# Altium PCB SFPP.PcbDoc (part 3 of 4)
Units mil, origin at the board's own origin, x right, y up, seen from the top; angles counter-clockwise.
Board outline 3543.31 x 4228.35 mil, 8 copper layers (L1_S1, L2_PGND, L3_S2, L4_P1V2, L5_P1V8, L6_S3, L7_PGND, L8_S4), stack 62.6 mil thick; 259 components, 249 nets, 1382 pads, 813 vias.
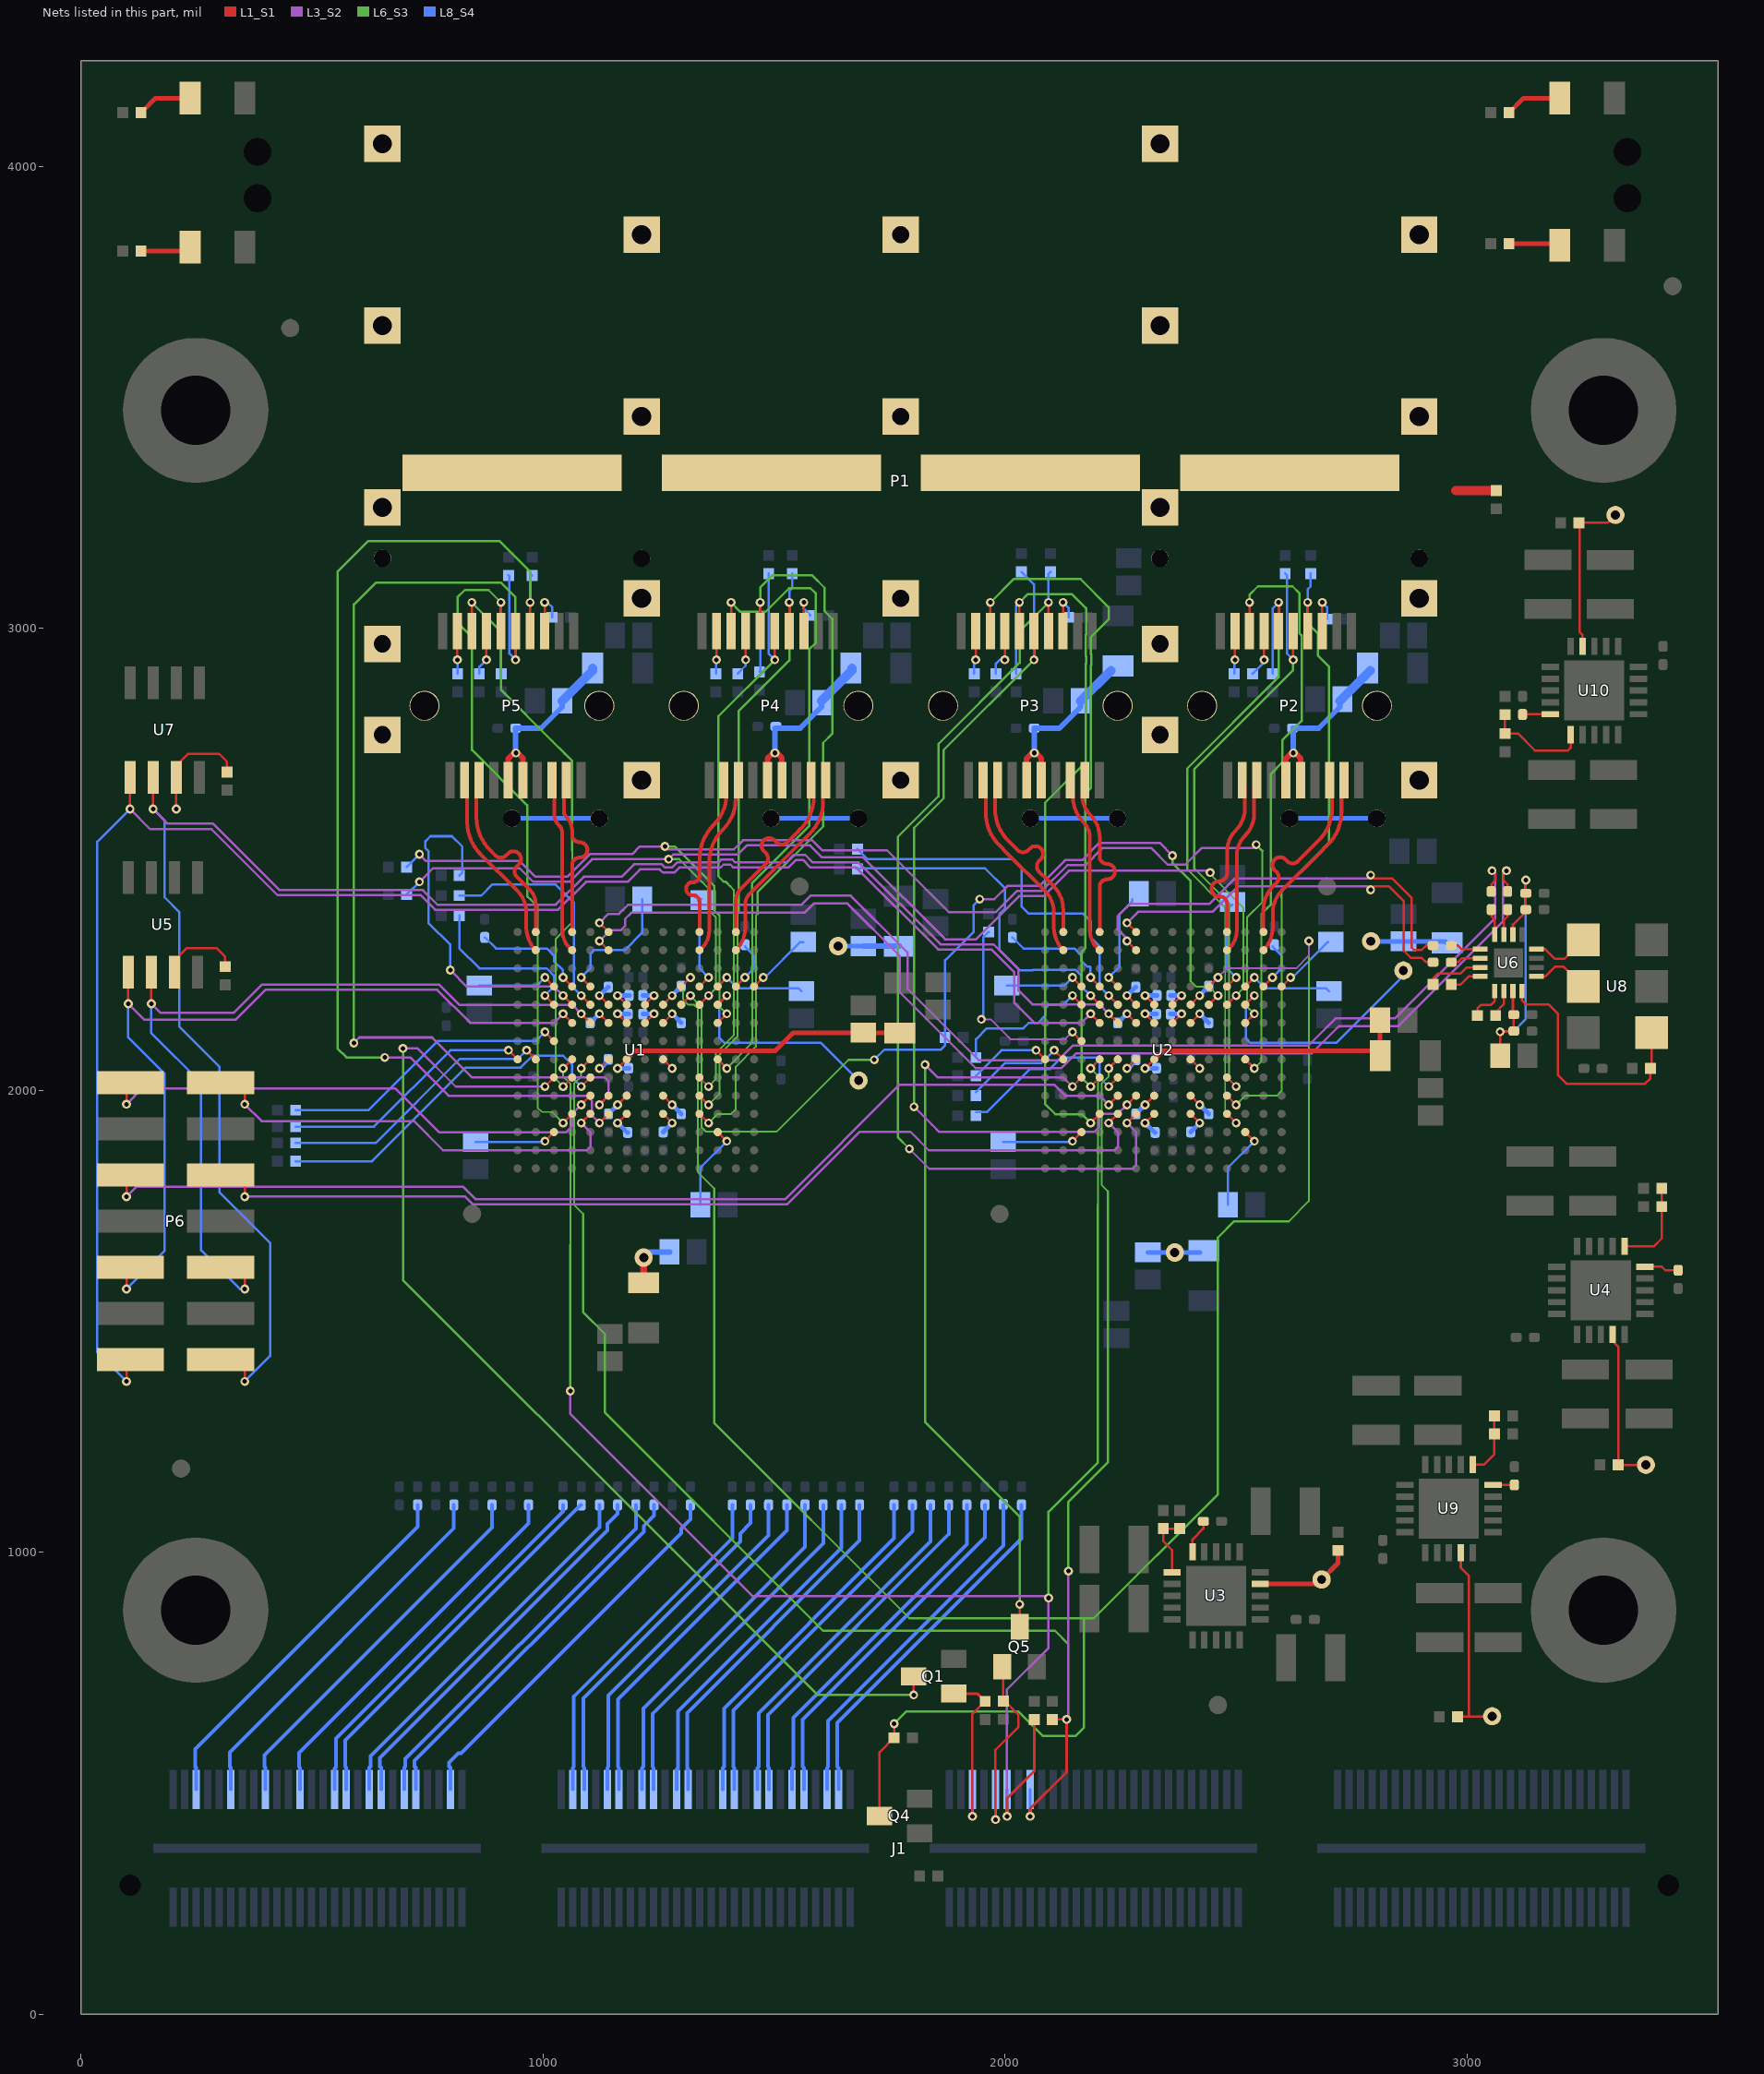
[diagram p9: the nets of this part, all layers, seen from the top]

## Via types
v1: diameter 19.4, hole 10, L1_S1 to L8_S4, tented both sides, 405 vias
v2: diameter 19.4, hole 10, L1_S1 to L8_S4, 155 vias
v3: diameter 19.4, hole 10, L1_S1 to L8_S4, tented bottom, 153 vias
v4: diameter 39.37, hole 19.68, L1_S1 to L8_S4, 45 vias
v5: diameter 25.98, hole 12.99, L1_S1 to L8_S4, tented top, 36 vias
v6: diameter 39.37, hole 19.68, L1_S1 to L8_S4, tented bottom, 11 vias
v7: diameter 20, hole 10, L1_S1 to L8_S4, tented top, 4 vias
v8: diameter 39.37, hole 19.68, L1_S1 to L8_S4, tented top, 2 vias
v9: diameter 39.37, hole 19.68, L1_S1 to L8_S4, tented both sides, 1 vias
v10: diameter 19.4, hole 10, L1_S1 to L8_S4, tented top, 1 vias

## Nets (pads, with @x,y where several pads share a name; then routed paths per layer and width w, separated by ;. In a path a pad name is that pad's centre, name@x,y a point inside that pad or via, vN(x,y) a via of type N, cw(c..) or ccw(c..) an arc to the next point about the centre after c; other vN are vias at no path point) (continued)
MGT_TX_N5: C13.2 J1.A29 | length 827
  L8_S4 w8: J1.A29@699.29,486.5 699.29,533.99 ; 701.69,536.39 699.29,533.99 ; C13.2@1200.79,1102.36 1200.79,1051.79 702,553 702,536.71 699.29,533.99
MGT_TX_N6: C11.2 J1.A27 | length 822
  L8_S4 w8: J1.A27@624.29,486.5 624.29,533.99 626.69,536.39 626.69,558.69 1122.05,1054.05 C11.2@1122.05,1102.36
MGT_TX_N7: C9.2 J1.A25 | length 820.5
  L8_S4 w8: J1.A25@549.29,486.5 549.29,532.29 552,535 552,597.04 1043.31,1088.35 C9.2@1043.31,1102.36
MGT_TX_N8: C23.2 J1.B23 | length 763.5
  L8_S4 w8: J1.B23@1289.29,486.5 1289.29,530.29 1292,533 1292,656.04 1645.67,1009.71 C23.2@1645.67,1102.36
MGT_TX_N9: C21.2 J1.B21 | length 761.9
  L8_S4 w8: J1.B21@1214.29,486.5 1214.29,533.34 1216.69,535.74 1216.69,661.57 1566.93,1011.81 C21.2@1566.93,1102.36
MGT_TX_N10: C19.2 J1.B19 | length 760.4
  L8_S4 w8: J1.B19@1139.29,486.5 1139.29,533.34 1141.69,535.74 1141.69,689.69 1488.19,1036.19 C19.2@1488.19,1102.36
MGT_TX_N11: C17.2 J1.B17 | length 757.2
  L8_S4 w8: J1.B17@1064.29,486.5 1064.29,533.34 1066.69,535.74 1066.69,574.37 ; 1066.8,576 1066.8,687.8 1409.45,1030.45 C17.2@1409.45,1102.36
MGT_TX_N12: C31.2 J1.B31 | length 774
  L8_S4 w8: J1.B31@1614.29,486.5 1614.29,533.34 1616.69,535.74 1616.69,634.73 1996.06,1014.1 C31.2@1996.06,1102.36
MGT_TX_N13: C29.2 J1.B29 | length 772.4
  L8_S4 w8: J1.B29@1539.29,486.5 1539.29,533.34 1541.69,535.74 1541.69,641.73 1917.32,1017.36 C29.2@1917.32,1102.36
MGT_TX_N14: C27.2 J1.B27 | length 770.9
  L8_S4 w8: J1.B27@1464.29,486.5 1464.29,533.34 1466.69,535.74 1466.69,651.73 1838.58,1023.62 C27.2@1838.58,1102.36
MGT_TX_N15: C25.2 J1.B25 | length 769.4
  L8_S4 w8: J1.B25@1389.29,486.5 1389.29,533.34 1391.69,535.74 1391.69,661.73 1759.84,1029.88 C25.2@1759.84,1102.36
MGT_TX_P0: C8.2 J1.A24 | length 822.6
  L8_S4 w8: J1.A24@474.29,486.5 474.29,533.34 471.89,535.74 471.89,565.89 968.5,1062.5 C8.2@968.5,1102.36
MGT_TX_P1: C6.2 J1.A22 | length 821
  L8_S4 w8: J1.A22@399.29,486.5 399.29,533.99 396.89,536.39 396.89,560.85 889.76,1053.72 C6.2@889.76,1102.36
MGT_TX_P2: C4.2 J1.A20 | length 817.8
  L8_S4 w8: J1.A20@324.29,486.5 324.29,533.99 321.89,536.39 321.89,566.85 807.09,1052.05 C4.2@807.09,1102.36
MGT_TX_P3: C2.2 J1.A18 | length 817.1
  L8_S4 w8: J1.A18@249.29,486.5 249.29,533.99 247.81,533.99 246.89,534.92 246.89,573.85 728.35,1055.3 C2.2@728.35,1102.36
MGT_TX_P4: C16.2 J1.A32 | length 836.9
  L8_S4 w8: J1.A32@799.29,486.5 799.29,533.99 796.89,536.39 796.89,545.17 816.13,564.41 822.7,564.41 1299.53,1041.24 1299.53,1051.53 1318.9,1070.9 C16.2@1318.9,1102.36
MGT_TX_P5: C14.2 J1.A30 | length 831.5
  L8_S4 w8: J1.A30@724.29,486.5 724.29,533.99 721.89,536.39 721.89,548.85 1217.79,1044.75 1217.79,1056.81 1240.16,1079.18 C14.2@1240.16,1102.36
MGT_TX_P6: C12.2 J1.A28 | length 830
  L8_S4 w8: J1.A28@649.29,486.5 649.29,533.99 646.89,536.39 646.89,554.85 1139.05,1047.01 1139.05,1061.05 1161.42,1083.42 C12.2@1161.42,1102.36
MGT_TX_P7: C10.2 J1.A26 | length 829.2
  L8_S4 w8: J1.A26@574.29,486.5 574.29,533.99 571.89,536.39 571.89,592.89 1081.36,1102.36 C10.2@1082.68,1102.36
MGT_TX_P8: C24.2 J1.B24 | length 771.3
  L8_S4 w8: J1.B24@1314.29,486.5 1314.29,530.71 1312,533 1312,652 1685.04,1025.04 C24.2@1685.04,1102.36
MGT_TX_P9: C22.2 J1.B22 | length 769.9
  L8_S4 w8: J1.B22@1239.29,486.5 1239.29,533.34 1236.89,535.74 1236.89,650.27 1606.3,1019.69 C22.2@1606.3,1102.36
MGT_TX_P10: C20.2 J1.B20 | length 768.3
  L8_S4 w8: J1.B20@1164.29,486.5 1164.29,533.34 1161.89,535.74 1161.89,681.6 1527.56,1047.28 C20.2@1527.56,1102.36
MGT_TX_P11: C18.2 J1.B18 | length 766.6
  L8_S4 w8: 1086.89,566 1086.89,535.74 1089.29,533.34 J1.B18@1089.29,486.5 ; 1087,566.11 1087,683.96 1426.45,1023.41 1426.45,1040.62 1448.82,1062.99 C18.2@1448.82,1102.36
MGT_TX_P12: C32.2 J1.B32 | length 781.9
  L8_S4 w8: J1.B32@1639.29,486.5 1639.29,533.34 1636.89,535.74 1636.89,630.89 2035.43,1029.43 C32.2@2035.43,1102.36
MGT_TX_P13: C30.2 J1.B30 | length 780.4
  L8_S4 w8: J1.B30@1564.29,486.5 1564.29,533.34 1561.89,535.74 1561.89,637.89 1956.69,1032.69 C30.2@1956.69,1102.36
MGT_TX_P14: C28.2 J1.B28 | length 778.8
  L8_S4 w8: J1.B28@1489.29,486.5 1489.29,533.34 1486.89,535.74 1486.89,647.89 1877.95,1038.95 C28.2@1877.95,1102.36
MGT_TX_P15: C26.2 J1.B26 | length 777.3
  L8_S4 w8: J1.B26@1414.29,486.5 1414.29,533.34 1411.89,535.74 1411.89,657.89 1799.21,1045.21 C26.2@1799.21,1102.36
MOD_ABS0: P5.6 R33.1 U1.D4 | length 1609.3
  L1_S1 w5: P5.6@908.93,2993.7 v2(908.93,3055.71) ; v1(1043.31,1929.13) U1.D4@1062.99,1948.82
  L3_S2 w3.94: v1@1035.27,1929.13 v1(1043.31,1929.13)
  L6_S3 w3.94: 972.44,2413.39 988.27,2397.56 988.27,2347 988.27,1962.01 997.45,1952.83 1019.6,1952.83 v1(1043.31,1929.13)
  L6_S3 w5: v2(908.93,3055.71) 881.96,3082.68 830.71,3082.68 814.96,3066.93 814.96,3011.81 846.46,2980.31 846.46,2751.97 846.46,2736.22 965.76,2616.92 965.76,2420.07 972.44,2413.39
  L8_S4 w5: v2(908.93,3055.71) 909.45,3055.19 R33.1@909.45,2901.57
MOD_ABS1: P4.6 R32.1 U1.L4 | length 1727.3
  L1_S1 w5: U1.L4@1338.58,1948.82 v1(1358.27,1929.13) ; P4.6@1469.96,2993.7 v2(1469.96,3055.71)
  L6_S3 w3.94: v1(1358.27,1929.13) 1377.95,1948.82 1406.82,1948.82 1417,1959 1417,2050.86 1460.71,2094.57 1460.71,2378.03 1464,2381.32
  L6_S3 w5: 1464,2381.32 1464,2428.57 1606.3,2570.87 1606.3,2751.97 1625.98,2771.65 1625.98,3020.76 1609.24,3037.51 1609.24,3087.61 1582.68,3114.17 1496.06,3114.17 1469.96,3088.07 v2(1469.96,3055.71)
  L8_S4 w5: R32.1@1468.5,2905.51 1469.96,2906.96 v2(1469.96,3055.71)
MOD_ABS2: P3.6 R24.1 U2.D4 | length 1636.9
  L1_S1 w5: P3.6@2030.98,2993.7 v2(2030.98,3055.71) ; v1(2185.04,1929.13) U2.D4@2204.72,1948.82
  L6_S3 w5: v2(2030.98,3055.71) 2049.18,3073.91 2144.52,3073.91 2175.16,3043.27 2175.16,2985.72 2175,2985.56 2175,2939.4 2175.16,2939.23 2175.16,2924.15 2175,2923.99 2175,2710.43 2086.61,2622.05 2086.61,1970 2108.61,1948 2166.17,1948 v1(2185.04,1929.13)
  L8_S4 w5: R24.1@2023.62,2901.57 2023.62,3048.35 v2(2030.98,3055.71)
MOD_ABS3: P2.6 R25.1 U2.L4 | length 1502
  L1_S1 w5: U2.L4@2480.31,1948.82 v1(2500,1929.13) ; P2.6@2592,2993.7 v2(2592,3055.71)
  L6_S3 w3.94: 2394,2478 2476.3,2395.7 2476.3,1952.83 v1(2500,1929.13)
  L6_S3 w5: 2394,2478 2394,2500 2394,2696 2592,2894 v2(2592,3055.71)
  L8_S4 w5: R25.1@2578.74,2901.57 2578.74,3042.45 v2(2592,3055.71)
NetC38_2: C38.2 U3.15 | length 75.7
  L1_S1 w5: U3.15@2405.51,1000.98 2405.51,1027.56 2429.13,1051.18 C38.2@2429.13,1066.93
NetC44_2: C44.2 U4.15 | length 75.1
  L1_S1 w5: U4.15@3384.84,1618.11 3421.26,1618.11 3429.13,1610.24 C44.2@3456.69,1610.24
NetC71_1: C71.1 U1.M3 | length 189.3
  L1_S1 w5: U1.M3@1377.95,1909.45 v1(1397.64,1889.76)
  L8_S4 w5: C71.1@1340.55,1751.97 1340.55,1832.68 v1(1397.64,1889.76)
NetC72_1: C72.1 U1.C3 | length 178.3
  L1_S1 w5: v1(1003.94,1889.76) U1.C3@1023.62,1909.45
  L8_S4 w5: C72.1@854.33,1887.8 1001.97,1887.8 v1(1003.94,1889.76)
NetC74_1: C74.1 U1.L11 | length 206.9
  L1_S1 w5: U1.L11@1338.58,2224.41 v1(1358.27,2244.1)
  L8_S4 w5: C74.1@1342.52,2413.39 1338.58,2409.45 1338.58,2263.78 v1(1358.27,2244.1)
NetC75_1: C75.1 U1.E11 | length 291
  L1_S1 w5: v1(1082.68,2244.1) U1.E11@1102.36,2224.41
  L8_S4 w5: v1(1082.68,2244.1) 1102.36,2263.78 1102.36,2295.28 1110.24,2303.15 1177.17,2303.15 1214.57,2340.55 C75.1@1214.57,2413.39
NetC76_1: C76.1 U1.P11 | length 146.3
  L1_S1 w5: U1.P11@1456.69,2224.41 v1(1476.38,2244.1)
  L8_S4 w5: v1(1476.38,2244.1) 1480.32,2244.1 1557.09,2320.87 C76.1@1562.99,2320.87
NetC77_1: C77.1 U1.C11 | length 176.9
  L1_S1 w5: v1(1003.94,2244.1) U1.C11@1023.62,2224.41
  L8_S4 w5: C77.1@862.2,2226.38 986.22,2226.38 v1(1003.94,2244.1)
NetC78_1: C78.1 U1.M11 | length 201.5
  L1_S1 w5: U1.M11@1377.95,2224.41 v1(1397.64,2244.1)
  L8_S4 w5: v1(1397.64,2244.1) 1420.81,2220.93 1552.7,2220.93 C78.1@1559.06,2214.57
NetC79_2: C79.2 U1.D11 | length 249.2
  L1_S1 w5: v1(1043.31,2244.1) U1.D11@1062.99,2224.41
  L8_S4 w5: C79.2@874.02,2330.71 898.09,2306.64 1008.33,2306.64 1023.62,2291.34 1023.62,2279.38 1043.31,2259.69 v1(1043.31,2244.1)
NetC80_2: C80.2 U1.N11 | length 111.1
  L1_S1 w5: U1.N11@1417.32,2224.41 v1(1437.01,2244.1)
  L8_S4 w5: v1(1437.01,2244.1) 1456.69,2263.78 1456.69,2291.34 C80.2@1437.01,2311.02
NetC82_2: C82.2 C83.2 L7.1 P5.15 P5.16 | length 420.2
  L1_S1 w12: P5.15@924.68,2670.87 924.68,2717.68 937,2730 v2(941,2730) 945,2730 956.18,2718.82 P5.16@956.18,2670.87
  L8_S4 w12: v2(941,2730) 940.94,2730.06 C82.2@940.94,2783.46 995.46,2783.46 1041.34,2829.34 C83.2@1041.34,2842.52
  L8_S4 w20: C83.2@1041.34,2842.52 1107.28,2908.46 L7.1@1107.28,2913.39
NetC85_2: C85.2 C123.2 L8.1 P3.15 P3.16 | length 415.3
  L1_S1 w12: P3.15@2046.73,2670.87 2046.73,2717.68 2059.05,2730 v2(2063.05,2730) 2067.05,2730 2078.22,2718.82 P3.16@2078.22,2670.87
  L8_S4 w12: v2(2063.05,2730) v2(2063.05,2730) C85.2@2062.99,2783.46 2117.51,2783.46 2163.39,2829.34 C123.2@2163.39,2842.52
  L8_S4 w20: C123.2@2163.39,2842.52 L8.1@2229.33,2908.46
NetC106_2: C106.2 C107.2 C108.2 C109.2 L11.2 U6.7 U6.14 | length 666.7
  L1_S1 w5: L11.2@3071.54,2074.96 v2(3071.54,2126.54) 3099.49,2126.54 C106.2@3101.06,2128.11 C107.2@3101.06,2163.54 3099.09,2165.51 U6.7@3099.09,2214.72 ; U6.14@3099.09,2336.77 3099.09,2358.09 3127.06,2386.06 C108.2@3127.06,2390.92 C109.2@3127.06,2426.35 v2(3127.06,2454.94)
  L8_S4 w5: v2(3071.54,2126.54) 3099.54,2126.54 3127.06,2154.06 v2(3127.06,2454.94)
NetC112_1: C112.1 U2.M3 | length 189.3
  L1_S1 w5: U2.M3@2519.68,1909.45 v1(2539.37,1889.76)
  L8_S4 w5: C112.1@2482.28,1751.97 2482.28,1832.68 v1(2539.37,1889.76)
NetC113_1: C113.1 U2.C3 | length 178.3
  L1_S1 w5: v1(2145.67,1889.76) U2.C3@2165.35,1909.45
  L8_S4 w5: C113.1@1996.06,1887.8 2143.7,1887.8 v1(2145.67,1889.76)
NetC115_1: C115.1 U2.L11 | length 198.4
  L1_S1 w5: U2.L11@2480.31,2224.41 v1(2500,2244.1)
  L8_S4 w5: C115.1@2492.13,2401.57 2480.31,2389.76 2480.31,2365.43 2480.31,2263.78 v1(2500,2244.1)
NetC116_1: C116.1 U2.E11 | length 218.3
  L1_S1 w5: v1(2224.41,2244.1) U2.E11@2244.09,2224.41
  L8_S4 w5: v1(2224.41,2244.1) 2247.58,2267.27 2247.58,2381.44 2275.59,2409.45 C116.1@2275.59,2413.39
NetC117_1: C117.1 U2.P11 | length 140.3
  L1_S1 w5: U2.P11@2598.43,2224.41 v1(2618.11,2244.1)
  L8_S4 w5: v1(2618.11,2244.1) 2622.05,2244.1 C117.1@2698.82,2320.87
NetC118_1: C118.1 U2.C11 | length 176.9
  L1_S1 w5: v1(2145.67,2244.1) U2.C11@2165.35,2224.41
  L8_S4 w5: C118.1@2003.94,2226.38 2127.95,2226.38 v1(2145.67,2244.1)
NetC119_1: C119.1 U2.M11 | length 201.5
  L1_S1 w5: U2.M11@2519.68,2224.41 v1(2539.37,2244.1)
  L8_S4 w5: v1(2539.37,2244.1) 2562.54,2220.93 2694.43,2220.93 C119.1@2700.79,2214.57
NetC120_2: C120.2 U2.D11 | length 252.3
  L1_S1 w5: v1(2185.04,2244.1) U2.D11@2204.72,2224.41
  L8_S4 w5: C120.2@2015.75,2330.71 2039.82,2306.64 2150.06,2306.64 2165.35,2291.34 2165.35,2280.24 2178.33,2267.27 2183.73,2267.27 2185.04,2265.96 v1(2185.04,2244.1)
NetC121_2: C121.2 U2.N11 | length 111.1
  L1_S1 w5: U2.N11@2559.06,2224.41 v1(2578.74,2244.1)
  L8_S4 w5: v1(2578.74,2244.1) 2598.43,2263.78 2598.43,2291.34 C121.2@2578.74,2311.02
NetC128_2: C128.2 U9.15 | length 47.4
  L1_S1 w5: U9.15@3056.1,1145.67 3100.67,1145.67 3102,1147 C128.2@3101,1147
NetC133_2: C133.2 C134.2 L9.1 P2.15 P2.16 | length 415.3
  L1_S1 w12: P2.15@2607.75,2670.87 2607.75,2717.68 2620.07,2730 v2(2624.07,2730) 2628.07,2730 2639.25,2718.82 P2.16@2639.25,2670.87
  L8_S4 w12: v2(2624.07,2730) v2(2624.07,2730) 2624.02,2783.46 2678.54,2783.46 2724.41,2829.34 C134.2@2724.41,2842.52
  L8_S4 w20: C134.2@2724.41,2842.52 L9.1@2790.35,2908.46
NetC136_2: C136.2 C137.2 L10.1 P4.15 P4.16 | length 420.2
  L1_S1 w12: P4.15@1485.7,2670.87 1485.7,2717.68 1498.02,2730 v2(1502.02,2730) 1506.02,2730 1517.2,2718.82 P4.16@1517.2,2670.87
  L8_S4 w12: v2(1502.02,2730) 1501.97,2730.06 1501.97,2783.46 1556.49,2783.46 1602.36,2829.34 C137.2@1602.36,2842.52
  L8_S4 w20: C137.2@1602.36,2842.52 1668.31,2908.46 L10.1@1668.31,2913.39
NetC147_2: C147.2 U10.15 | length 60.1
  L1_S1 w5: C147.2@3120,2813.31 3120.5,2813.82 U10.15@3179.84,2813.82
NetDS3_2: DS3.2 R36.1 | length 119.3
  L1_S1 w10: R36.1@129.92,4115.75 161.42,4147.24 DS3.2@236.22,4147.24
NetDS4_2: DS4.2 R37.1 | length 109.6
  L1_S1 w10: R37.1@129.92,3816.54 228.35,3816.54 DS4.2@236.22,3824.41
NetDS5_2: DS5.2 R38.1 | length 111.9
  L1_S1 w10: R38.1@3090.55,3832.28 3196.85,3832.28 DS5.2@3200.79,3828.35
NetDS6_2: DS6.2 R39.1 | length 123.3
  L1_S1 w10: R39.1@3090.55,4115.75 3122.05,4147.24 DS6.2@3200.79,4147.24
NetP2_3: P2.3 R27.2 | length 102.3
  L1_S1 w5: P2.3@2686.49,2993.7 v2(2686.49,3055.71)
  L8_S4 w5: v2(2686.49,3055.71) 2696.85,3045.35 R27.2@2696.85,3019.69
NetP2_7: P2.7 R23.1 | length 102.5
  L1_S1 w5: v2(2560.51,2931.69) P2.7@2560.51,2993.7
  L8_S4 w5: R23.1@2535.43,2901.57 2560.51,2926.65 v2(2560.51,2931.69)
NetP2_9: P2.9 R22.1 | length 92.7
  L1_S1 w5: v2(2497.52,2931.69) P2.9@2497.52,2993.7
  L8_S4 w5: R22.1@2496.06,2901.57 2496.06,2930.24 v2(2497.52,2931.69)
NetP3_3: P3.3 R26.2 | length 99.2
  L1_S1 w5: P3.3@2125.47,2993.7 v2(2125.47,3055.71)
  L8_S4 w5: v2(2125.47,3055.71) 2137.8,3043.38 R26.2@2137.8,3023.62
NetP3_7: P3.7 R21.1 | length 106.4
  L1_S1 w5: v2(1999.48,2931.69) P3.7@1999.48,2993.7
  L8_S4 w5: R21.1@1980.32,2901.57 1980.32,2923.31 1988.69,2931.69 v2(1999.48,2931.69)
NetP3_9: P3.9 R20.1 | length 93.5
  L1_S1 w5: v2(1936.49,2931.69) P3.9@1936.49,2993.7
  L8_S4 w5: R20.1@1933.07,2901.57 1933.07,2928.27 v2(1936.49,2931.69)
NetP4_3: P4.3 R34.2 | length 96.1
  L1_S1 w5: P4.3@1564.44,2993.7 v2(1564.44,3055.71)
  L8_S4 w5: v2(1564.44,3055.71) 1564.44,3041.85 R34.2@1578.74,3027.56
NetP4_7: P4.7 R29.1 | length 99.3
  L1_S1 w5: v2(1438.46,2931.69) P4.7@1438.46,2993.7
  L8_S4 w5: R29.1@1421.26,2901.57 1438.46,2918.78 v2(1438.46,2931.69)
NetP4_9: P4.9 R28.1 | length 92.7
  L1_S1 w5: v2(1375.47,2931.69) P4.9@1375.47,2993.7
  L8_S4 w5: R28.1@1374.02,2901.57 1374.02,2930.24 v2(1375.47,2931.69)
NetP5_3: P5.3 R35.2 | length 104.5
  L1_S1 w5: P5.3@1003.42,2993.7 v2(1003.42,3055.71)
  L8_S4 w5: v2(1003.42,3055.71) 1009.29,3055.71 1020,3045 1020,3023.94 R35.2@1019.68,3023.62
NetP5_7: P5.7 R31.1 | length 98.4
  L1_S1 w5: v2(877.44,2931.69) P5.7@877.44,2993.7
  L8_S4 w5: R31.1@862.2,2901.57 862.2,2916.46 v2(877.44,2931.69)
NetP5_9: P5.9 R30.1 | length 92.3
  L1_S1 w5: v2(814.44,2931.69) P5.9@814.44,2993.7
  L8_S4 w5: v2(814.44,2931.69) 814.96,2931.18 R30.1@814.96,2901.57
NetQ1_3: Q1.3 U1.C6 | length 2388.3
  L1_S1 w5: v1(1003.94,2007.87) U1.C6@1023.62,2027.56 ; v2(1802.06,690.96) Q1.3@1802.06,731.47
  L3_S2 w5: v2(696.85,2090.55) 728.35,2090.55 811.02,2007.87 v1(1003.94,2007.87)
  L6_S3 w5: v2(696.85,2090.55) 696.85,1589.15 1280,1006 1595.04,690.96 1746.04,690.96 v2(1802.06,690.96)
NetQ5_3: Q5.3 U2.C6 | length 1663.6
  L1_S1 w5: Q5.3@2031.5,838.58 v2@2031.5,879.09 ; v1(2145.67,2007.87) U2.C6@2165.35,2027.56
  L3_S2 w5: v2@1830.71,2055.12 v2(1826.77,2055.12) 1854.33,2027.56 1858.27,2027.56 2125.98,2027.56 v1(2145.67,2007.87)
  L6_S3 w5: v2(1826.77,2055.12) 1826.77,1282.22 2031.5,1077.5 v2(2031.5,887.09)
NetR1_1: R1.1 TP1.1 U3.9 | length 214.6
  L1_S1 w10: U3.9@2552.17,931.1 2675.2,931.1 TP1.1@2685.04,940.94 2720.47,976.38 R1.1@2720.47,1003.94
NetR2_1: R2.1 R3.2 U3.16 | length 137.7
  L1_S1 w5: U3.16@2361.22,956.69 2361.22,1004.92 2342.52,1023.62 R2.1@2342.52,1051.18 R3.2@2377.95,1051.18
NetR4_1: R4.1 TP2.1 U4.9 | length 349
  L1_S1 w5: U4.9@3314.96,1471.46 3314.96,1456.69 3327.76,1443.9 R4.1@3327.76,1188.98 ; R4.1@3326.77,1188.98 R4.1@3327.76,1188.98 ; R4.1@3327.76,1187.99 R4.1@3327.76,1188.98 ; TP2.1@3386.98,1188.98 R4.1@3327.76,1188.98
NetR5_1: R5.1 R6.2 U4.16 | length 195.9
  L1_S1 w5: U4.16@3340.55,1662.4 3404.53,1662.4 3421.26,1679.13 R6.2@3421.26,1748.03 R5.1@3421.26,1787.4
NetR12_2: R12.2 U5.7 | length 174.5
  L1_S1 w5: U5.7@202.17,2255.91 202.17,2280.91 228.35,2307.09 293.91,2307.09 312.02,2288.98 R12.2@312.02,2267.65
NetR16_1: R16.1 U1.B7 | length 611
  L1_S1 w5: v1(964.57,2086.62) U1.B7@984.25,2066.93
  L8_S4 w5: R16.1@464.57,1885.83 637.8,1885.83 819.78,2067.81 945.76,2067.81 v1(964.57,2086.62)
NetR17_1: R17.1 U1.A7 | length 557
  L1_S1 w5: v1(925.2,2086.62) U1.A7@944.88,2066.93
  L8_S4 w5: R17.1@464.57,1921.26 633.86,1921.26 799.21,2086.62 v1(925.2,2086.62)
NetR40_2: R40.2 U7.7 | length 243.9
  L1_S1 w5: v2(206.1,2608.46) U7.7@206.1,2677.17 206.1,2702.17 232.28,2728.35 298.65,2728.35 316,2711 R40.2@316,2688.69
NetR44_1: R44.1 TP4.1 U9.9 | length 436.1
  L1_S1 w5: R44.1@2979.17,644 TP4.1@3053,644 ; U9.9@2986.22,999.02 2986.22,966.54 3003.94,948.82 3003.94,732.28 3003.94,644.06
NetR45_1: R45.1 R46.2 U9.16 | length 139.7
  L1_S1 w5: U9.16@3011.81,1189.96 3037.11,1189.96 3059.06,1211.91 R46.2@3059.06,1255.91 R45.1@3059.06,1295.28
NetR52_1: R52.1 U1.C10 | length 379.4
  L1_S1 w5: v1(1003.94,2204.73) U1.C10@1023.62,2185.04
  L8_S4 w5: R52.1@818.9,2377.95 818.9,2307.09 862.2,2263.78 1007.87,2263.78 1023.62,2248.03 1023.62,2224.41 v1(1003.94,2204.73)
NetR53_1: R53.1 U1.D10 | length 754.9
  L1_S1 w5: v1(1043.31,2204.73) U1.D10@1062.99,2185.04
  L3_S2 w5: v2(799.21,2259.84) 834.65,2224.41 1023.62,2224.41 v1(1043.31,2204.73)
  L8_S4 w5: v2(799.21,2259.84) 799.21,2314.96 751.97,2362.2 751.97,2517.57 745.58,2523.96 745.58,2539.03 756.24,2549.7 802.81,2549.7 825.29,2527.22 825.29,2470.96 R53.1@818.9,2464.57
NetR54_1: R54.1 U1.C8 | length 638.6
  L1_S1 w5: v1(1003.94,2125.99) U1.C8@1023.62,2106.3
  L8_S4 w5: R54.1@464.57,1956.69 622.05,1956.69 771.65,2106.3 984.25,2106.3 v1(1003.94,2125.99)
  L8_S4 w10: v1@1003.94,2124.75 v1(1003.94,2125.99)
NetR55_1: R55.1 U1.E10 | length 509.3
  L1_S1 w5: v1(1082.68,2204.73) U1.E10@1102.36,2185.04
  L8_S4 w5: R55.1@818.9,2421.26 866.14,2421.26 889.76,2444.88 1027.56,2444.88 1066.48,2405.96 1066.48,2220.93 v1(1082.68,2204.73)
NetR56_1: R56.1 U1.E6 | length 784
  L1_S1 w5: v1(1082.68,2007.87) U1.E6@1102.36,2027.56
  L8_S4 w5: R56.1@464.57,1846.46 629.92,1846.46 832.46,2049 951.55,2049 976.86,2074.32 1043.79,2074.32 1062.99,2055.12 1062.99,2027.56 v1(1082.68,2007.87)
NetR57_1: R57.1 U2.B7 | length 234.6
  L1_S1 w5: v1(2106.3,2086.62) U2.B7@2125.98,2066.93
  L8_S4 w5: R57.1@1937.01,1996.06 2000,2059.06 2078.74,2059.06 v1(2106.3,2086.62)
NetR58_1: R58.1 U2.A7 | length 180.6
  L1_S1 w5: v1(2066.93,2086.62) U2.A7@2086.61,2066.93
  L8_S4 w5: R58.1@1937.01,2031.5 1992.13,2086.62 v1(2066.93,2086.62)
NetR59_1: R59.1 U2.C10 | length 324.2
  L1_S1 w5: v1(2145.67,2204.73) U2.C10@2165.35,2185.04
  L8_S4 w5: R59.1@1937.01,2070.87 1937.01,2110.24 1960.63,2133.86 2039.37,2133.86 2051.18,2145.67 2070.87,2145.67 2086.61,2161.42 2086.61,2177.17 2094.49,2185.04 2125.98,2185.04 v1(2145.67,2204.73)
NetR60_1: R60.1 U2.D10 | length 759.2
  L1_S1 w5: v1(2185.04,2204.73) U2.D10@2204.72,2185.04
  L8_S4 w5: R60.1@1677.17,2480.32 1956.69,2480.32 2000,2437.01 2000,2433.07 2000,2393.7 1988.19,2381.89 1988.19,2303.15 2031.5,2259.84 2059.77,2259.84 2060.22,2260.3 2153.09,2260.3 2165.35,2248.03 2165.35,2224.41 v1(2185.04,2204.73)
NetR61_1: R61.1 U2.C8 | length 444.6
  L1_S1 w5: v1(2145.67,2125.99) U2.C8@2165.35,2106.3
  L3_S2 w3.94: v2(1948.82,2153.54) 1968.5,2153.54 1976.38,2145.67 2011.73,2110.32 2130,2110.32 v1(2145.67,2125.99)
  L8_S4 w5: v2(1948.82,2153.54) 1952.76,2157.48 1952.76,2330.71 R61.1@1964.57,2342.52
NetR62_1: R62.1 U2.E10 | length 823.2
  L1_S1 w5: v1(2224.41,2204.73) U2.E10@2244.09,2185.04
  L8_S4 w5: R62.1@1680.42,2522 1702.42,2500 2015.75,2500 2035.43,2480.32 2035.43,2397.64 2051.18,2381.89 2169.29,2381.89 2185.04,2366.14 2185.04,2330.71 2204.72,2311.02 2204.72,2224.41 v1(2224.41,2204.73)
NetR63_1: R63.1 U2.E6 | length 413.3
  L1_S1 w5: v1(2224.41,2007.87) U2.E6@2244.09,2027.56
  L8_S4 w5: R63.1@1937.01,1952.76 1960.63,1952.76 2053.89,2046.02 2097.2,2046.02 2122.05,2070.87 2200.79,2070.87 2204.72,2066.93 2204.72,2027.56 v1(2224.41,2007.87)
NetR64_1: R64.1 U6.6 | length 60.5
  L1_S1 w5: R64.1@3061.69,2161.57 3061.69,2168.69 3079.41,2186.41 U6.6@3079.41,2214.72
NetR64_2: R64.2 U6.5 | length 81.5
  L1_S1 w5: R64.2@3022.32,2161.57 3022.32,2177.32 3030,2185 3052,2185 3059.72,2192.72 U6.5@3059.72,2214.72